# Altium PCB STguitar.PcbDoc (part 2 of 3)
Units mm, origin at the board's own origin, x right, y up, seen from the top; angles counter-clockwise.
Board outline 150 x 90 mm, 4 copper layers (Top Layer, Signal 1, Signal 2, Bottom Layer), stack 0.746 mm thick; 215 components, 199 nets, 877 pads, 342 vias.
Unrouted connection lines stored in the file: 196.
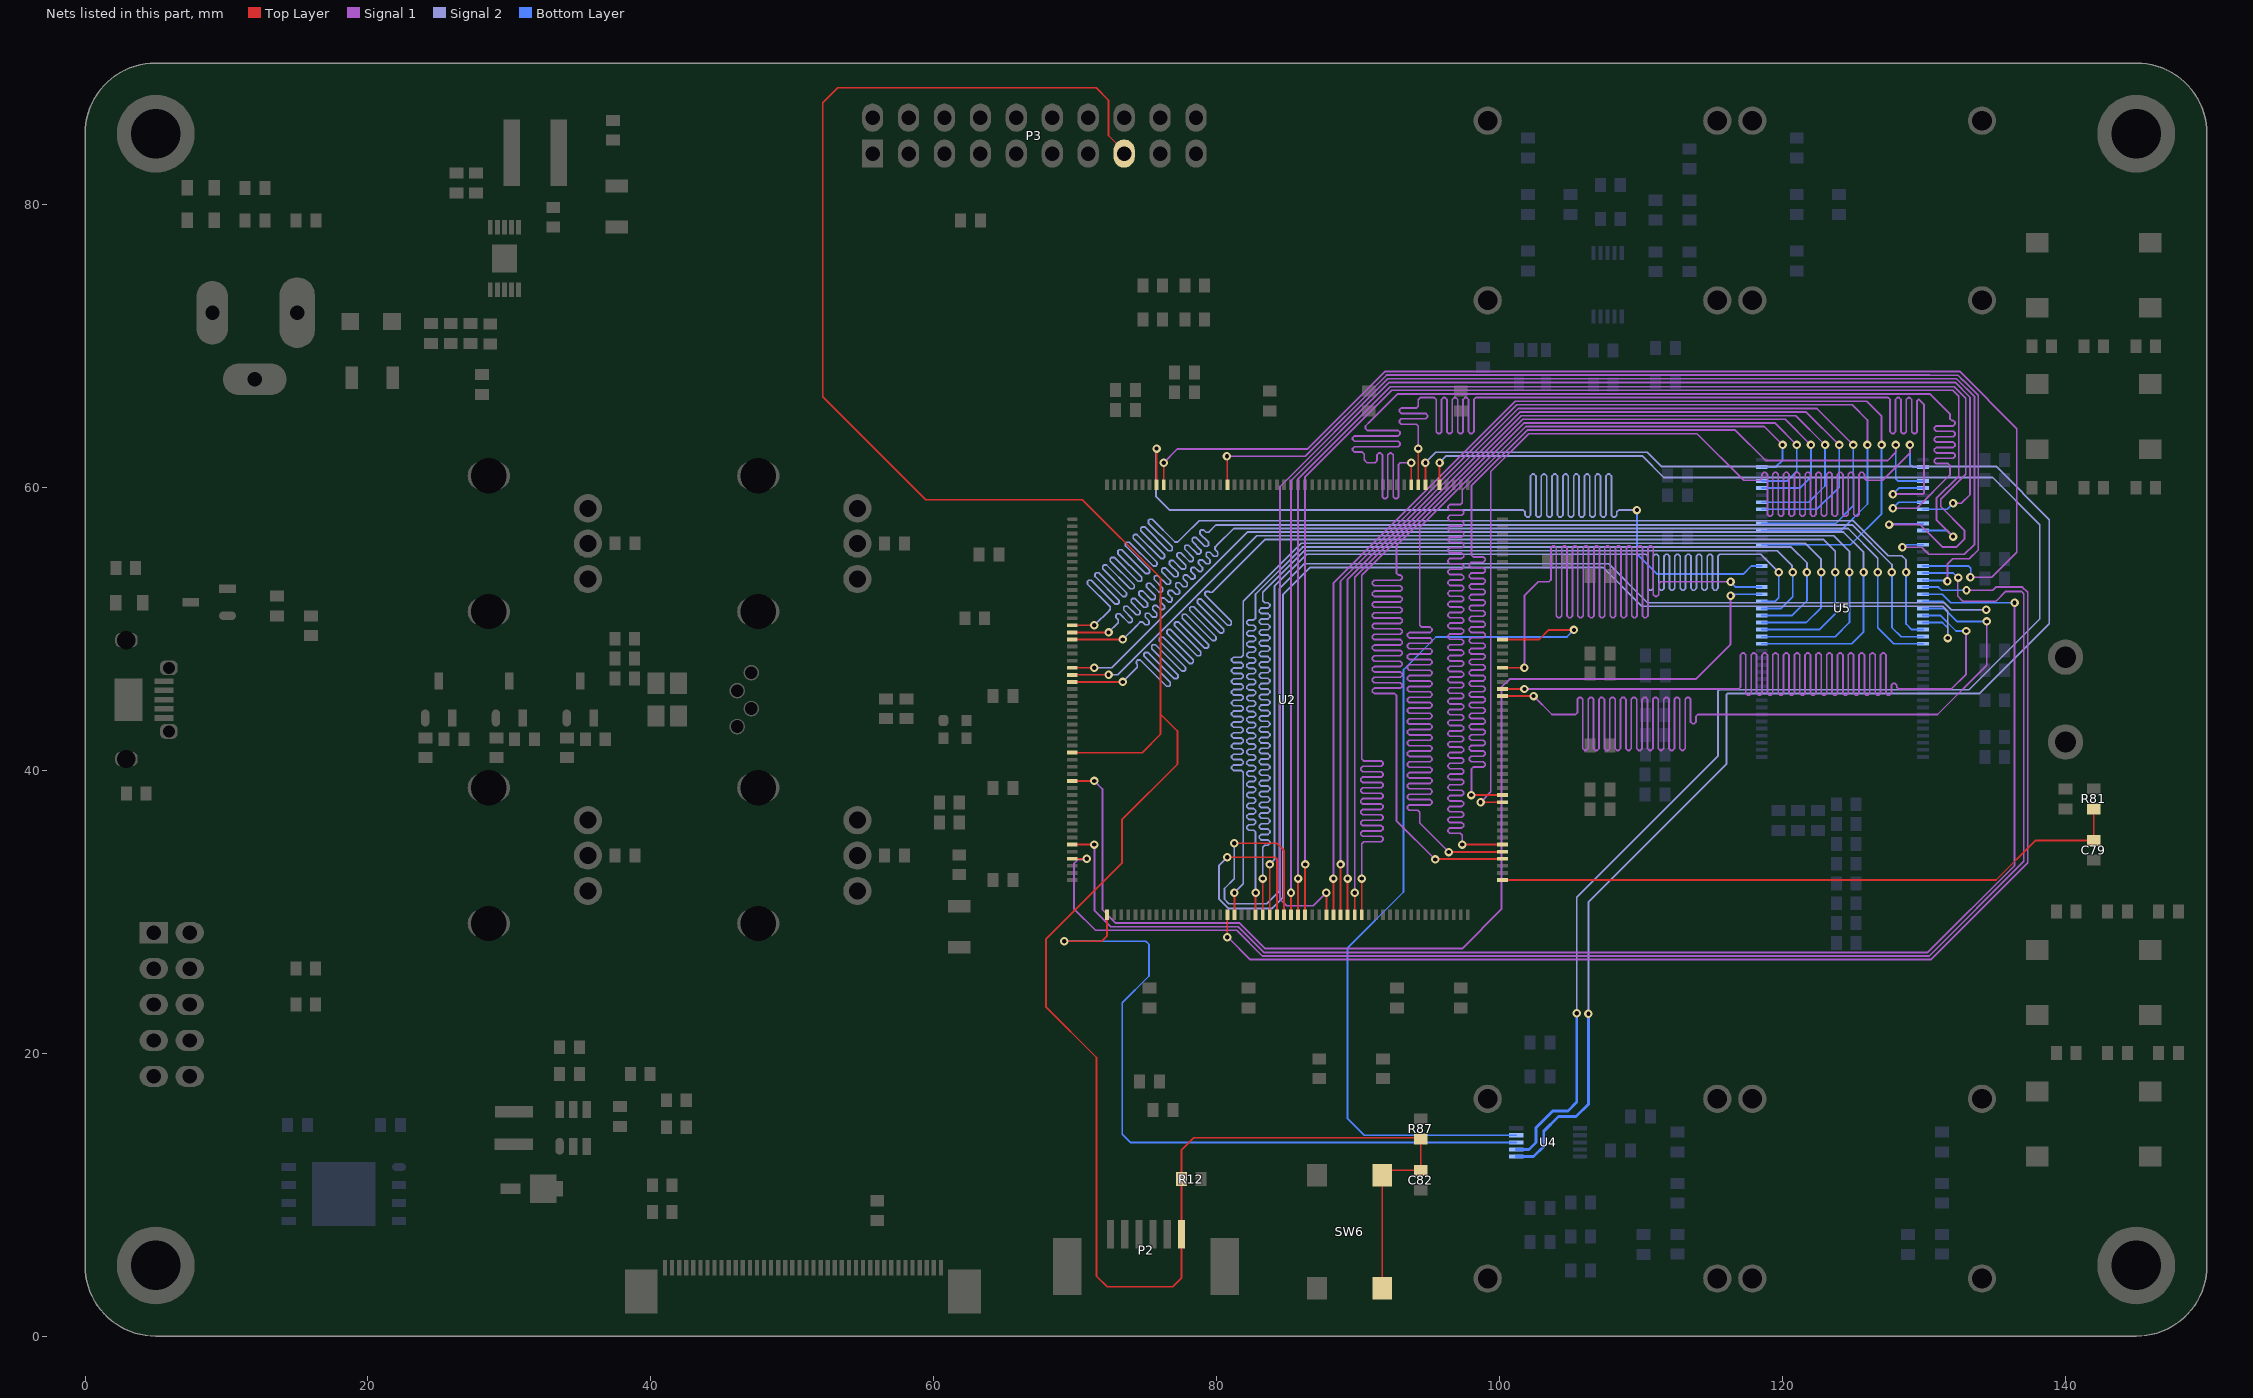
[diagram p4: the nets of this part, all layers, seen from the top]

## Via types
v1: diameter 0.6, hole 0.3, Top Layer to Bottom Layer, 342 vias

## Nets (pads, with @x,y where several pads share a name; then routed paths per layer and width w, separated by ;. In a path a pad name is that pad's centre, name@x,y a point inside that pad or via, vN(x,y) a via of type N, cw(c..) or ccw(c..) an arc to the next point about the centre after c; other vN are vias at no path point) (continued)
DAC.LRCK: U2.53 U4.3 | length 53.1
  Top Layer w0.127: v1(69.225,27.925) 71.875,27.925 72.25,28.3 U2.53@72.25,29.8
  Bottom Layer w0.127: v1(69.225,27.925) 74.989,27.925 75.212,27.702 75.212,25.462 73.325,23.575 73.325,14.275 73.9,13.7 U4.3@101.175,13.7
DAC.MCLK: U2.139 U4.4 | length 64.3
  Top Layer w0.127: U2.139@100.2,49.25 102.8,49.25 103.475,49.925 v1(105.25,49.925)
  Bottom Layer w0.127: U4.4@101.175,14.2 90.425,14.2 89.25,15.375 89.25,27.45 93.2,31.4 93.2,47.125 95.5,49.425 104.75,49.425 v1(105.25,49.925)
DAC.SCLK: U2.161 U4.2 | length 117.2
  Top Layer w0.127: U2.161@95.75,60.2 v1(95.75,61.75)
  Signal 2 w0.127: v1(95.75,61.75) 96.225,62.225 110.075,62.225 111.6,60.7 134.85,60.7 138.175,57.375 138.175,50.7 133.175,45.7 115.525,45.7 115.425,45.6 115.425,41 105.45,31.025 v1(105.45,22.825)
  Bottom Layer w0.2: U4.2@101.175,13.2 102.075,13.2 102.562,13.688 102.562,14.738 103.75,15.925 104.825,15.925 105.45,16.55 v1(105.45,22.825)
DAC.SDIN: U2.163 U4.1 | length 120.4
  Top Layer w0.127: U2.163@94.75,60.2 v1(94.75,61.75)
  Signal 2 w0.127: v1(94.75,61.75) 95.479,62.479 110.421,62.479 111.416,61.484 135.09,61.484 138.85,57.725 138.85,50.375 133.9,45.425 116.099,45.425 116.025,45.351 116.025,40.425 106.275,30.675 v1(106.275,22.8)
  Bottom Layer w0.2: U4.1@101.175,12.7 102.4,12.7 103.113,13.413 103.113,14.487 104.15,15.525 105.4,15.525 106.275,16.4 v1(106.275,22.8)
DCMI.NRST: C82.2 P2.6 P3.15 R12.1 R87.1 SW6.3 SW6.4 U2.34 | length 184.6
  Top Layer w0.127: U2.34@69.8,41.25 73.3,41.25 74.725,41.25 76.025,42.55 76.025,43.975 ; P3.15@73.455,83.6 73.455,83.77 72.35,84.875 72.35,87.375 71.475,88.25 53.2,88.25 52.15,87.2 52.15,66.4 59.425,59.125 70.5,59.125 76.025,53.6 76.025,43.975 ; SW6.3@91.696,3.385 SW6.4@91.696,11.385 92.036,11.725 C82.2@94.425,11.725 R87.1@94.425,13.95 94.35,14.025 78.375,14.025 77.5,13.15 R12.1@77.5,11.1 P2.6@77.5,7.2 77.5,4.1 76.9,3.5 72.25,3.5 71.5,4.25 71.5,19.7 67.925,23.275 67.925,28.05 73.3,33.425 73.3,36.5 77.225,40.425 77.225,42.775 76.025,43.975
FMC_A0: U2.16 U5.25 | length 113.7
  Top Layer w0.127: U2.16@69.8,50.25 v1(71.35,50.25)
  Signal 2 w0.127: v1(71.35,50.25) 72.425,51.325 72.47,51.37 72.47,51.558 70.862,53.166 70.862,53.355 70.943,53.435 71.132,53.435 72.816,51.752 73.004,51.752 73.085,51.832 73.085,52.021 71.401,53.705 71.401,53.893 71.482,53.974 71.671,53.974 73.354,52.29 73.543,52.29 73.624,52.371 73.624,52.56 71.94,54.244 71.94,54.432 72.021,54.513 72.209,54.513 73.893,52.829 74.082,52.829 74.163,52.91 74.163,53.099 72.479,54.782 72.479,54.971 72.56,55.052 72.748,55.052 74.432,53.368 74.621,53.368 74.702,53.449 74.702,53.637 73.018,55.321 73.018,55.51 73.099,55.591 73.287,55.591 74.971,53.907 75.16,53.907 75.24,53.988 75.24,54.176 73.557,55.86 73.557,56.049 73.637,56.129 73.826,56.129 75.51,54.446 75.698,54.446 75.779,54.526 75.779,54.715 74.095,56.399 74.095,56.587 74.176,56.668 74.365,56.668 76.049,54.984 76.237,54.984 76.318,55.065 76.318,55.254 74.634,56.938 74.634,57.126 74.715,57.207 74.904,57.207 76.587,55.523 76.776,55.523 76.857,55.604 76.857,55.793 75.173,57.476 75.173,57.665 75.254,57.746 75.442,57.746 77.05,56.138 77.238,56.138 77.688,56.588 78.75,57.65 124.984,57.65 127.459,55.175 128.425,55.175 128.725,54.875 v1(128.725,54)
  Bottom Layer w0.127: v1(128.725,54) 128.725,50.35 129.125,49.95 U5.25@129.925,49.95
FMC_A1: U2.17 U5.26 | length 91.2
  Top Layer w0.127: U2.17@69.8,49.75 v1(72.35,49.75)
  Signal 2 w0.127: v1(72.35,49.75) 73,50.4 73.045,50.445 73.045,50.633 72.884,50.794 72.884,50.983 72.965,51.064 73.154,51.064 73.764,50.453 73.952,50.453 74.033,50.534 74.033,50.723 73.423,51.333 73.423,51.522 73.504,51.602 73.693,51.602 74.303,50.992 74.491,50.992 74.572,51.073 74.572,51.262 73.962,51.872 73.962,52.06 74.043,52.141 74.231,52.141 74.841,51.531 75.03,51.531 75.111,51.612 75.111,51.8 74.501,52.411 74.501,52.599 74.582,52.68 74.77,52.68 75.38,52.07 75.569,52.07 75.65,52.151 75.65,52.339 75.04,52.949 75.04,53.138 75.12,53.219 75.309,53.219 75.919,52.609 76.108,52.609 76.188,52.689 76.188,52.878 75.578,53.488 75.578,53.677 75.659,53.758 75.848,53.758 76.458,53.147 76.646,53.147 76.727,53.228 76.727,53.417 76.117,54.027 76.117,54.216 76.198,54.296 76.387,54.296 76.997,53.686 77.185,53.686 77.266,53.767 77.266,53.956 76.656,54.566 76.656,54.754 76.737,54.835 76.925,54.835 77.536,54.225 77.724,54.225 77.805,54.306 77.805,54.495 77.195,55.105 77.195,55.293 77.276,55.374 77.464,55.374 78.074,54.764 78.263,54.764 78.344,54.845 78.344,55.033 77.734,55.643 77.734,55.832 77.814,55.913 78.003,55.913 78.613,55.303 78.802,55.303 78.883,55.384 78.883,55.572 78.272,56.182 78.272,56.371 78.353,56.452 78.542,56.452 79.152,55.842 79.341,55.842 79.421,55.922 79.421,56.111 78.811,56.721 78.811,56.91 78.892,56.99 79.081,56.99 79.241,56.83 79.43,56.83 79.625,57.025 79.95,57.35 124.925,57.35 127.725,54.55 v1(127.725,54)
  Bottom Layer w0.127: v1(127.725,54) 127.725,50.1 128.375,49.45 U5.26@129.925,49.45
FMC_A2: U2.18 U5.27 | length 79.4
  Top Layer w0.127: U2.18@69.8,49.25 v1(73.35,49.25)
  Signal 2 w0.127: v1(73.35,49.25) 74.263,50.162 74.577,50.477 74.765,50.477 74.952,50.29 75.141,50.29 75.221,50.371 75.221,50.56 74.944,50.837 74.944,51.025 75.025,51.106 75.214,51.106 75.491,50.829 75.679,50.829 75.76,50.91 75.76,51.098 75.483,51.376 75.483,51.564 75.564,51.645 75.752,51.645 76.03,51.368 76.218,51.368 76.299,51.449 76.299,51.637 76.022,51.914 76.022,52.103 76.103,52.184 76.291,52.184 76.569,51.907 76.757,51.907 76.838,51.987 76.838,52.176 76.561,52.453 76.561,52.642 76.642,52.723 76.83,52.723 77.107,52.445 77.296,52.445 77.377,52.526 77.377,52.715 77.1,52.992 77.1,53.181 77.18,53.261 77.369,53.261 77.646,52.984 77.835,52.984 77.916,53.065 77.916,53.254 77.638,53.531 77.638,53.719 77.719,53.8 77.908,53.8 78.185,53.523 78.374,53.523 78.454,53.604 78.454,53.792 78.177,54.07 78.177,54.258 78.258,54.339 78.447,54.339 78.724,54.062 78.912,54.062 78.993,54.143 78.993,54.331 78.716,54.608 78.716,54.797 78.797,54.878 78.985,54.878 79.263,54.601 79.451,54.601 79.532,54.681 79.532,54.87 79.255,55.147 79.255,55.336 79.336,55.417 79.524,55.417 79.801,55.139 79.99,55.139 80.071,55.22 80.071,55.409 79.884,55.596 79.884,55.784 80.05,55.95 81.196,57.096 124.629,57.096 126.725,55 v1(126.725,54)
  Bottom Layer w0.127: v1(126.725,54) 126.725,50.075 127.85,48.95 U5.27@129.925,48.95
FMC_A3: U2.22 U5.60 | length 73.7
  Top Layer w0.127: U2.22@69.8,47.25 v1(71.35,47.25)
  Signal 2 w0.127: v1(71.35,47.25) 72.575,47.25 82.167,56.842 124.305,56.842 125.725,55.422 v1(125.725,54)
  Bottom Layer w0.127: U5.60@118.525,48.95 124.875,48.95 125.725,49.8 v1(125.725,54)
FMC_A4: U2.23 U5.61 | length 71.1
  Top Layer w0.127: U2.23@69.8,46.75 v1(72.35,46.75)
  Signal 2 w0.127: v1(72.35,46.75) 73,46.75 82.838,56.588 123.612,56.588 124.725,55.475 v1(124.725,54)
  Bottom Layer w0.127: U5.61@118.525,49.45 123.725,49.45 124.725,50.45 v1(124.725,54)
FMC_A5: U2.24 U5.62 | length 118.1
  Top Layer w0.127: U2.24@69.8,46.25 v1(73.35,46.25)
  Signal 2 w0.127: v1(73.35,46.25) 74.338,47.237 74.382,47.282 74.382,47.471 74.326,47.528 74.326,47.716 74.406,47.797 74.595,47.797 76.448,45.944 76.636,45.944 76.717,46.025 76.717,46.214 74.864,48.067 74.864,48.255 74.945,48.336 75.134,48.336 76.987,46.483 77.175,46.483 77.256,46.564 77.256,46.753 75.403,48.605 75.403,48.794 75.484,48.875 75.673,48.875 77.525,47.022 77.714,47.022 77.795,47.103 77.795,47.291 75.942,49.144 75.942,49.333 76.023,49.414 76.211,49.414 78.064,47.561 78.253,47.561 78.334,47.642 78.334,47.83 76.481,49.683 76.481,49.872 76.562,49.952 76.75,49.952 78.603,48.1 78.792,48.1 78.873,48.18 78.873,48.369 77.02,50.222 77.02,50.41 77.1,50.491 77.289,50.491 79.142,48.638 79.331,48.638 79.411,48.719 79.411,48.908 77.558,50.761 77.558,50.949 77.639,51.03 77.828,51.03 79.681,49.177 79.869,49.177 79.95,49.258 79.95,49.447 78.097,51.3 78.097,51.488 78.178,51.569 78.367,51.569 80.22,49.716 80.408,49.716 80.489,49.797 80.489,49.985 78.636,51.838 78.636,52.027 78.717,52.108 78.906,52.108 80.758,50.255 80.947,50.255 81.028,50.336 81.028,50.524 79.175,52.377 79.175,52.566 79.256,52.647 79.444,52.647 79.501,52.59 79.69,52.59 79.975,52.875 83.425,56.325 122.875,56.325 123.725,55.475 v1(123.725,54)
  Bottom Layer w0.127: U5.62@118.525,49.95 122.6,49.95 123.725,51.075 v1(123.725,54)
FMC_A6: U2.71 U5.63 | length 88.1
  Top Layer w0.127: U2.71@81.25,29.8 v1(81.25,31.35)
  Signal 2 w0.127: v1(81.25,31.35) 81.875,31.975 81.875,39.8 81.875,39.864 81.742,39.997 81.187,39.997 81.053,40.13 81.053,40.245 81.187,40.378 81.742,40.378 81.875,40.511 81.875,40.626 81.742,40.759 81.187,40.759 81.053,40.892 81.053,41.007 81.187,41.14 81.742,41.14 81.875,41.273 81.875,41.388 81.742,41.521 81.187,41.521 81.053,41.654 81.053,41.769 81.187,41.902 81.742,41.902 81.875,42.035 81.875,42.15 81.742,42.283 81.187,42.283 81.053,42.416 81.053,42.531 81.187,42.664 81.742,42.664 81.875,42.797 81.875,42.912 81.742,43.045 81.187,43.045 81.053,43.178 81.053,43.293 81.187,43.426 81.742,43.426 81.875,43.559 81.875,43.674 81.742,43.807 81.187,43.807 81.053,43.94 81.053,44.055 81.187,44.188 81.742,44.188 81.875,44.321 81.875,44.436 81.742,44.569 81.187,44.569 81.053,44.702 81.053,44.817 81.187,44.95 81.742,44.95 81.875,45.083 81.875,45.198 81.742,45.331 81.187,45.331 81.053,45.464 81.053,45.579 81.187,45.712 81.742,45.712 81.875,45.845 81.875,45.96 81.742,46.093 81.187,46.093 81.053,46.226 81.053,46.341 81.187,46.474 81.742,46.474 81.875,46.607 81.875,46.722 81.742,46.855 81.187,46.855 81.053,46.988 81.053,47.103 81.187,47.236 81.742,47.236 81.875,47.369 81.875,47.484 81.742,47.617 81.187,47.617 81.053,47.75 81.053,47.865 81.187,47.998 81.742,47.998 81.875,48.131 81.875,48.275 81.875,51.95 85.975,56.05 121.6,56.05 122.725,54.925 v1(122.725,54)
  Bottom Layer w0.127: U5.63@118.525,50.45 121.675,50.45 122.725,51.5 v1(122.725,54)
FMC_A7: U2.74 U5.64 | length 88.6
  Top Layer w0.127: U2.74@82.75,29.8 v1(82.75,31.35)
  Signal 2 w0.127: v1(82.75,31.35) 82.75,35.575 82.75,35.639 82.617,35.772 82.262,35.772 82.129,35.905 82.129,36.02 82.262,36.153 82.624,36.153 82.757,36.286 82.757,36.401 82.624,36.534 82.262,36.534 82.129,36.667 82.129,36.782 82.262,36.915 82.624,36.915 82.757,37.048 82.757,37.163 82.624,37.296 82.262,37.296 82.129,37.429 82.129,37.544 82.262,37.677 82.624,37.677 82.757,37.81 82.757,37.925 82.624,38.058 82.262,38.058 82.129,38.191 82.129,38.306 82.262,38.439 82.624,38.439 82.757,38.572 82.757,38.687 82.624,38.82 82.262,38.82 82.129,38.953 82.129,39.068 82.262,39.201 82.624,39.201 82.757,39.334 82.757,39.449 82.624,39.582 82.262,39.582 82.129,39.715 82.129,39.83 82.262,39.963 82.624,39.963 82.757,40.096 82.757,40.211 82.624,40.344 82.262,40.344 82.129,40.477 82.129,40.592 82.262,40.725 82.624,40.725 82.757,40.858 82.757,40.973 82.624,41.106 82.262,41.106 82.129,41.239 82.129,41.354 82.262,41.487 82.624,41.487 82.757,41.62 82.757,41.735 82.624,41.868 82.262,41.868 82.129,42.001 82.129,42.116 82.262,42.249 82.624,42.249 82.757,42.382 82.757,42.497 82.624,42.63 82.262,42.63 82.129,42.763 82.129,42.878 82.262,43.011 82.624,43.011 82.757,43.144 82.757,43.259 82.624,43.392 82.262,43.392 82.129,43.525 82.129,43.64 82.262,43.773 82.624,43.773 82.757,43.906 82.757,44.021 82.624,44.154 82.262,44.154 82.129,44.287 82.129,44.402 82.262,44.535 82.624,44.535 82.757,44.668 82.757,44.783 82.624,44.916 82.262,44.916 82.129,45.049 82.129,45.164 82.262,45.297 82.624,45.297 82.757,45.43 82.757,45.545 82.624,45.678 82.262,45.678 82.129,45.811 82.129,45.926 82.262,46.059 82.624,46.059 82.757,46.192 82.757,46.307 82.624,46.44 82.262,46.44 82.129,46.573 82.129,46.688 82.262,46.821 82.624,46.821 82.757,46.954 82.757,47.069 82.624,47.202 82.262,47.202 82.129,47.335 82.129,47.45 82.262,47.583 82.624,47.583 82.757,47.716 82.757,47.831 82.624,47.964 82.262,47.964 82.129,48.097 82.129,48.212 82.262,48.345 82.624,48.345 82.757,48.478 82.757,48.593 82.624,48.726 82.262,48.726 82.129,48.859 82.129,48.974 82.262,49.107 82.624,49.107 82.757,49.24 82.757,49.355 82.624,49.488 82.262,49.488 82.129,49.621 82.129,49.736 82.262,49.869 82.624,49.869 82.757,50.002 82.757,50.117 82.624,50.25 82.262,50.25 82.129,50.383 82.129,50.498 82.262,50.631 82.617,50.631 82.75,50.764 82.75,51.375 82.75,52.466 86.067,55.783 120.603,55.783 121.725,54.661 v1(121.725,54)
  Bottom Layer w0.127: U5.64@118.525,50.95 120.675,50.95 121.725,52 v1(121.725,54)
FMC_A8: U2.75 U5.65 | length 93.7
  Top Layer w0.127: U2.75@83.25,29.8 v1(83.25,32.35)
  Signal 2 w0.127: v1(83.25,32.35) 83.25,34.125 83.25,34.57 83.383,34.703 83.627,34.703 83.76,34.836 83.76,34.951 83.627,35.084 83.137,35.084 83.004,35.217 83.004,35.332 83.137,35.465 83.627,35.465 83.76,35.598 83.76,35.713 83.627,35.846 83.137,35.846 83.004,35.979 83.004,36.094 83.137,36.227 83.627,36.227 83.76,36.36 83.76,36.475 83.627,36.608 83.137,36.608 83.004,36.741 83.004,36.856 83.137,36.989 83.627,36.989 83.76,37.122 83.76,37.237 83.627,37.37 83.137,37.37 83.004,37.503 83.004,37.618 83.137,37.751 83.627,37.751 83.76,37.884 83.76,37.999 83.627,38.132 83.137,38.132 83.004,38.265 83.004,38.38 83.137,38.513 83.627,38.513 83.76,38.646 83.76,38.761 83.627,38.894 83.137,38.894 83.004,39.027 83.004,39.142 83.137,39.275 83.627,39.275 83.76,39.408 83.76,39.523 83.627,39.656 83.137,39.656 83.004,39.789 83.004,39.904 83.137,40.037 83.627,40.037 83.76,40.17 83.76,40.285 83.627,40.418 83.137,40.418 83.004,40.551 83.004,40.666 83.137,40.799 83.627,40.799 83.76,40.932 83.76,41.047 83.627,41.18 83.137,41.18 83.004,41.313 83.004,41.428 83.137,41.561 83.627,41.561 83.76,41.694 83.76,41.809 83.627,41.942 83.137,41.942 83.004,42.075 83.004,42.19 83.137,42.323 83.627,42.323 83.76,42.456 83.76,42.571 83.627,42.704 83.137,42.704 83.004,42.837 83.004,42.952 83.137,43.085 83.627,43.085 83.76,43.218 83.76,43.333 83.627,43.466 83.137,43.466 83.004,43.599 83.004,43.714 83.137,43.847 83.627,43.847 83.76,43.98 83.76,44.095 83.627,44.228 83.137,44.228 83.004,44.361 83.004,44.476 83.137,44.609 83.627,44.609 83.76,44.742 83.76,44.857 83.627,44.99 83.137,44.99 83.004,45.123 83.004,45.238 83.137,45.371 83.627,45.371 83.76,45.504 83.76,45.619 83.627,45.752 83.137,45.752 83.004,45.885 83.004,46 83.137,46.133 83.627,46.133 83.76,46.266 83.76,46.381 83.627,46.514 83.137,46.514 83.004,46.647 83.004,46.762 83.137,46.895 83.627,46.895 83.76,47.028 83.76,47.143 83.627,47.276 83.137,47.276 83.004,47.409 83.004,47.524 83.137,47.657 83.627,47.657 83.76,47.79 83.76,47.905 83.627,48.038 83.137,48.038 83.004,48.171 83.004,48.286 83.137,48.419 83.627,48.419 83.76,48.552 83.76,48.667 83.627,48.8 83.137,48.8 83.004,48.933 83.004,49.048 83.137,49.181 83.627,49.181 83.76,49.314 83.76,49.429 83.627,49.562 83.137,49.562 83.004,49.695 83.004,49.81 83.137,49.943 83.627,49.943 83.76,50.076 83.76,50.191 83.627,50.324 83.137,50.324 83.004,50.457 83.004,50.572 83.137,50.705 83.627,50.705 83.76,50.838 83.76,50.953 83.627,51.086 83.137,51.086 83.004,51.219 83.004,51.334 83.137,51.467 83.627,51.467 83.76,51.6 83.76,51.715 83.627,51.848 83.383,51.848 83.25,51.981 83.25,52.306 83.25,52.6 86.179,55.529 119.621,55.529 120.659,54.491 120.659,54.066 v1(120.725,54)
  Bottom Layer w0.127: U5.65@118.525,51.45 119.9,51.45 120.725,52.275 v1(120.725,54)
FMC_A9: U2.76 U5.66 | length 96.9
  Top Layer w0.127: v1(83.741,33.35) 83.742,33.348 83.742,29.808 U2.76@83.75,29.8
  Signal 2 w0.127: v1(83.741,33.35) 84.075,33.684 84.075,53 86.35,55.275 109.9,55.275 110.345,55.275 110.478,55.142 110.478,52.868 110.611,52.735 110.726,52.735 110.859,52.868 110.859,55.142 110.992,55.275 111.107,55.275 111.24,55.142 111.24,52.868 111.373,52.735 111.488,52.735 111.621,52.868 111.621,55.142 111.754,55.275 111.869,55.275 112.002,55.142 112.002,52.868 112.135,52.735 112.25,52.735 112.383,52.868 112.383,55.142 112.516,55.275 112.631,55.275 112.764,55.142 112.764,52.868 112.897,52.735 113.012,52.735 113.145,52.868 113.145,55.142 113.278,55.275 113.393,55.275 113.526,55.142 113.526,52.868 113.659,52.735 113.774,52.735 113.907,52.868 113.907,55.142 114.04,55.275 114.155,55.275 114.288,55.142 114.288,52.868 114.421,52.735 114.536,52.735 114.669,52.868 114.669,55.142 114.802,55.275 114.917,55.275 115.05,55.142 115.05,52.868 115.183,52.735 115.298,52.735 115.431,52.868 115.431,55.142 115.564,55.275 115.775,55.275 118.45,55.275 v1(119.725,54)
  Bottom Layer w0.127: U5.66@118.525,51.95 119.475,51.95 119.725,52.2 v1(119.725,54)
FMC_A10: U2.77 U5.24 | length 90.8
  Top Layer w0.127: v1(80.75,33.85) 84.151,33.85 84.25,33.751 U2.77@84.25,29.8
  Signal 2 w0.127: v1(80.75,33.85) 80.15,33.25 80.15,30.925 80.85,30.225 83.9,30.225 84.679,31.004 84.679,52.404 86.621,54.346 107.304,54.346 110.054,51.596 131.32,51.596 131.675,51.241 v1(131.675,49.35)
  Bottom Layer w0.127: U5.24@129.925,50.45 131.3,50.45 131.675,50.075 v1(131.675,49.35)
FMC_A11: U2.78 U5.21 | length 95
  Top Layer w0.127: v1(81.244,34.85) 84.25,34.85 84.75,34.35 U2.78@84.75,29.8
  Signal 2 w0.127: v1(81.244,34.85) 81.244,32.344 80.55,31.65 80.55,30.884 80.859,30.575 83.55,30.575 84.425,31.45 84.425,52.825 86.2,54.6 107.7,54.6 110.45,51.85 131.425,51.85 131.925,51.35 v1(134.4,51.35)
  Bottom Layer w0.127: U5.21@129.925,51.95 131.325,51.95 131.925,51.35 v1(134.4,51.35)
FMC_BA0: U2.131 U5.22 | length 119.3
  Top Layer w0.127: U2.131@100.2,45.25 v1(102.4,45.25)
  Signal 1 w0.127: v1(102.4,45.25) 103.7,43.95 105.3,43.95 105.364,43.95 105.497,44.083 105.497,45.025 105.63,45.158 105.745,45.158 105.878,45.025 105.878,41.543 106.011,41.41 106.126,41.41 106.259,41.543 106.259,45.025 106.392,45.158 106.507,45.158 106.64,45.025 106.64,41.543 106.773,41.41 106.888,41.41 107.021,41.543 107.021,45.025 107.154,45.158 107.269,45.158 107.402,45.025 107.402,41.543 107.535,41.41 107.65,41.41 107.783,41.543 107.783,45.025 107.916,45.158 108.031,45.158 108.164,45.025 108.164,41.543 108.297,41.41 108.412,41.41 108.545,41.543 108.545,45.025 108.678,45.158 108.793,45.158 108.926,45.025 108.926,41.543 109.059,41.41 109.174,41.41 109.307,41.543 109.307,45.025 109.44,45.158 109.555,45.158 109.688,45.025 109.688,41.543 109.821,41.41 109.936,41.41 110.069,41.543 110.069,45.025 110.202,45.158 110.317,45.158 110.45,45.025 110.45,41.543 110.583,41.41 110.698,41.41 110.831,41.543 110.831,45.025 110.964,45.158 111.079,45.158 111.212,45.025 111.212,41.543 111.345,41.41 111.46,41.41 111.593,41.543 111.593,45.025 111.726,45.158 111.841,45.158 111.974,45.025 111.974,41.543 112.107,41.41 112.222,41.41 112.355,41.543 112.355,45.025 112.488,45.158 112.603,45.158 112.736,45.025 112.736,41.543 112.869,41.41 112.984,41.41 113.117,41.543 113.117,45.025 113.25,45.158 113.365,45.158 113.498,45.025 113.498,43.427 113.631,43.294 113.746,43.294 113.879,43.427 113.879,43.817 114.012,43.95 114.833,43.95 130.95,43.95 134.425,47.425 v1(134.425,50.525)
  Bottom Layer w0.127: U5.22@129.925,51.45 131.4,51.45 132.325,50.525 v1(134.425,50.525)
FMC_BA1: U2.132 U5.23 | length 119.3
  Top Layer w0.127: U2.132@100.2,45.75 v1(101.75,45.75)
  Signal 1 w0.127: v1(101.75,45.75) 116.825,45.75 116.889,45.75 117.022,45.883 117.022,48.157 117.155,48.29 117.27,48.29 117.403,48.157 117.403,45.445 117.536,45.311 117.651,45.311 117.784,45.445 117.784,48.157 117.917,48.29 118.032,48.29 118.165,48.157 118.165,45.445 118.298,45.311 118.413,45.311 118.546,45.445 118.546,48.157 118.679,48.29 118.794,48.29 118.927,48.157 118.927,45.445 119.06,45.311 119.175,45.311 119.308,45.445 119.308,48.157 119.441,48.29 119.556,48.29 119.689,48.157 119.689,45.445 119.822,45.311 119.937,45.311 120.07,45.445 120.07,48.157 120.203,48.29 120.318,48.29 120.451,48.157 120.451,45.445 120.584,45.311 120.699,45.311 120.832,45.445 120.832,48.157 120.965,48.29 121.08,48.29 121.213,48.157 121.213,45.445 121.346,45.311 121.461,45.311 121.594,45.445 121.594,48.157 121.727,48.29 121.842,48.29 121.975,48.157 121.975,45.445 122.108,45.311 122.223,45.311 122.356,45.445 122.356,48.157 122.489,48.29 122.604,48.29 122.737,48.157 122.737,45.445 122.87,45.311 122.985,45.311 123.118,45.445 123.118,48.157 123.251,48.29 123.366,48.29 123.499,48.157 123.499,45.445 123.632,45.311 123.747,45.311 123.88,45.445 123.88,48.157 124.013,48.29 124.128,48.29 124.261,48.157 124.261,45.445 124.394,45.311 124.509,45.311 124.642,45.445 124.642,48.157 124.775,48.29 124.89,48.29 125.023,48.157 125.023,45.445 125.156,45.311 125.271,45.311 125.404,45.445 125.404,48.157 125.537,48.29 125.652,48.29 125.785,48.157 125.785,45.445 125.918,45.311 126.033,45.311 126.166,45.445 126.166,48.157 126.299,48.29 126.414,48.29 126.547,48.157 126.547,45.445 126.68,45.311 126.795,45.311 126.928,45.445 126.928,48.157 127.061,48.29 127.176,48.29 127.309,48.157 127.309,45.445 127.442,45.311 127.557,45.311 127.69,45.445 127.69,46.02 127.823,46.153 127.938,46.153 128.071,46.02 128.071,45.883 128.204,45.75 128.418,45.75 130.554,45.75 131.925,45.75 132.975,46.8 v1(132.975,49.85)
  Bottom Layer w0.127: U5.23@129.925,50.95 131.159,50.95 132.259,49.85 v1(132.975,49.85)
FMC_D0: U2.116 U5.2 | length 115
  Top Layer w0.127: v1(98.65,37.75) U2.116@100.2,37.75
  Signal 1 w0.127: v1(98.65,37.75) 99.375,38.475 99.375,61.125 102.05,63.8 113.95,63.8 117.25,60.5 118.35,60.5 118.414,60.5 118.547,60.633 118.547,60.933 118.68,61.067 118.795,61.067 118.928,60.933 118.928,58.093 119.061,57.96 119.176,57.96 119.309,58.093 119.309,60.933 119.442,61.067 119.557,61.067 119.69,60.933 119.69,58.093 119.823,57.96 119.938,57.96 120.071,58.093 120.071,60.933 120.204,61.067 120.319,61.067 120.452,60.933 120.452,58.093 120.585,57.96 120.7,57.96 120.833,58.093 120.833,60.933 120.966,61.067 121.081,61.067 121.214,60.933 121.214,58.093 121.347,57.96 121.462,57.96 121.595,58.093 121.595,60.933 121.728,61.067 121.843,61.067 121.976,60.933 121.976,58.093 122.109,57.96 122.224,57.96 122.357,58.093 122.357,60.933 122.49,61.067 122.605,61.067 122.738,60.933 122.738,58.093 122.871,57.96 122.986,57.96 123.119,58.093 123.119,60.933 123.252,61.067 123.367,61.067 123.5,60.933 123.5,58.093 123.633,57.96 123.748,57.96 123.881,58.093 123.881,60.933 124.014,61.067 124.129,61.067 124.262,60.933 124.262,58.093 124.395,57.96 124.51,57.96 124.643,58.093 124.643,60.933 124.776,61.067 124.891,61.067 125.024,60.933 125.024,58.093 125.157,57.96 125.272,57.96 125.405,58.093 125.405,60.933 125.538,61.067 125.653,61.067 125.786,60.933 125.786,60.633 125.919,60.5 126.325,60.5 127.075,60.5 129,62.425 v1(129,63)
  Bottom Layer w0.127: v1(129,63) 129,61.65 129.2,61.45 U5.2@129.925,61.45
FMC_D1: U2.117 U5.4 | length 100.6
  Top Layer w0.127: v1(98,38.25) U2.117@100.2,38.25
  Signal 1 w0.127: v1(98,38.25) 98,39.65 98,40.095 98.133,40.228 98.851,40.228 98.984,40.361 98.984,40.476 98.851,40.609 97.982,40.609 97.848,40.742 97.848,40.857 97.982,40.99 98.851,40.99 98.984,41.123 98.984,41.238 98.851,41.371 97.982,41.371 97.848,41.504 97.848,41.619 97.982,41.752 98.851,41.752 98.984,41.885 98.984,42 98.851,42.133 97.982,42.133 97.848,42.266 97.848,42.381 97.982,42.514 98.851,42.514 98.984,42.647 98.984,42.762 98.851,42.895 97.982,42.895 97.848,43.028 97.848,43.143 97.982,43.276 98.851,43.276 98.984,43.409 98.984,43.524 98.851,43.657 97.982,43.657 97.848,43.79 97.848,43.905 97.982,44.038 98.851,44.038 98.984,44.171 98.984,44.286 98.851,44.419 97.982,44.419 97.848,44.552 97.848,44.667 97.982,44.8 98.851,44.8 98.984,44.933 98.984,45.048 98.851,45.181 97.982,45.181 97.848,45.314 97.848,45.429 97.982,45.562 98.851,45.562 98.984,45.695 98.984,45.81 98.851,45.943 97.982,45.943 97.848,46.076 97.848,46.191 97.982,46.324 98.851,46.324 98.984,46.457 98.984,46.572 98.851,46.705 97.982,46.705 97.848,46.838 97.848,46.953 97.982,47.086 98.851,47.086 98.984,47.219 98.984,47.334 98.851,47.467 97.982,47.467 97.848,47.6 97.848,47.715 97.982,47.848 98.851,47.848 98.984,47.981 98.984,48.096 98.851,48.229 97.982,48.229 97.848,48.362 97.848,48.477 97.982,48.61 98.851,48.61 98.984,48.743 98.984,48.858 98.851,48.991 97.982,48.991 97.848,49.124 97.848,49.239 97.982,49.372 98.851,49.372 98.984,49.505 98.984,49.62 98.851,49.753 97.982,49.753 97.848,49.886 97.848,50.001 97.982,50.134 98.851,50.134 98.984,50.267 98.984,50.382 98.851,50.515 97.982,50.515 97.848,50.648 97.848,50.763 97.982,50.896 98.851,50.896 98.984,51.029 98.984,51.144 98.851,51.277 97.982,51.277 97.848,51.41 97.848,51.525 97.982,51.658 98.851,51.658 98.984,51.791 98.984,51.906 98.851,52.039 97.982,52.039 97.848,52.172 97.848,52.287 97.982,52.42 98.851,52.42 98.984,52.553 98.984,52.668 98.851,52.801 97.982,52.801 97.848,52.934 97.848,53.049 97.982,53.182 98.851,53.182 98.984,53.315 98.984,53.43 98.851,53.563 97.982,53.563 97.848,53.696 97.848,53.811 97.982,53.944 98.851,53.944 98.984,54.077 98.984,54.192 98.851,54.325 97.982,54.325 97.848,54.458 97.848,54.573 97.982,54.706 98.851,54.706 98.984,54.839 98.984,54.954 98.851,55.087 98.133,55.087 98,55.22 98,55.401 98,60.109 101.945,64.054 116.646,64.054 118.8,61.9 127.425,61.9 128,62.475 v1(128,63)
  Bottom Layer w0.127: v1(128,63) 128,60.625 128.175,60.45 U5.4@129.925,60.45
FMC_D2: U2.164 U5.5 | length 92.1
  Top Layer w0.127: U2.164@94.25,60.2 v1(94.25,62.75)
  Signal 1 w0.127: v1(94.25,62.75) 94.25,64.275 94.25,64.339 94.117,64.472 93.043,64.472 92.909,64.605 92.909,64.72 93.043,64.853 94.767,64.853 94.9,64.986 94.9,65.101 94.767,65.234 93.043,65.234 92.909,65.367 92.909,65.482 93.043,65.615 94.117,65.615 94.25,65.748 94.25,65.85 94.25,66.209 94.387,66.346 94.933,66.346 95.377,66.346 95.511,66.213 95.511,63.939 95.644,63.806 95.758,63.806 95.892,63.939 95.892,66.213 96.025,66.346 96.139,66.346 96.273,66.213 96.273,63.939 96.406,63.806 96.52,63.806 96.654,63.939 96.654,66.213 96.787,66.346 96.901,66.346 97.035,66.213 97.035,63.939 97.168,63.806 97.282,63.806 97.416,63.939 97.416,66.213 97.549,66.346 97.663,66.346 97.797,66.213 97.797,63.939 97.93,63.806 98.044,63.806 98.178,63.939 98.178,66.213 98.311,66.346 98.8,66.346 127.025,66.346 127.47,66.346 127.603,66.213 127.603,63.939 127.736,63.806 127.851,63.806 127.984,63.939 127.984,66.213 128.117,66.346 128.232,66.346 128.365,66.213 128.365,63.939 128.498,63.806 128.613,63.806 128.746,63.939 128.746,66.213 128.879,66.346 128.994,66.346 129.127,66.213 129.127,63.939 129.26,63.806 129.375,63.806 129.508,63.939 129.508,66.117 129.62,66.23 129.726,66.124 130,65.85 130,59.599 129.926,59.525 v1(127.8,59.525)
  Bottom Layer w0.127: v1(127.8,59.525) 128.225,59.95 U5.5@129.925,59.95
FMC_D3: U2.165 U5.7 | length 96.8
  Top Layer w0.127: U2.165@93.75,60.2 v1(93.75,61.75)
  Signal 1 w0.127: v1(93.75,61.75) 93.05,61.75 92.986,61.75 92.853,61.617 92.853,59.343 92.72,59.21 92.605,59.21 92.472,59.343 92.472,62.295 92.339,62.428 92.224,62.428 92.091,62.295 92.091,59.343 91.958,59.21 91.843,59.21 91.71,59.343 91.71,62.295 91.577,62.428 91.462,62.428 91.329,62.295 91.329,61.883 91.196,61.75 91.125,61.75 90.625,61.75 90.425,61.95 90.425,62.3 90.425,62.364 90.292,62.497 89.736,62.497 89.603,62.63 89.603,62.745 89.736,62.878 92.832,62.878 92.965,63.011 92.965,63.126 92.832,63.259 89.736,63.259 89.603,63.392 89.603,63.507 89.736,63.64 92.832,63.64 92.965,63.773 92.965,63.888 92.832,64.021 90.651,64.021 90.518,64.154 90.518,64.343 90.846,64.671 92.775,66.6 130.434,66.6 131.825,65.209 131.825,64.925 131.825,64.861 131.958,64.728 132.063,64.728 132.196,64.595 132.196,64.48 132.063,64.347 130.858,64.347 130.725,64.214 130.725,64.099 130.858,63.966 132.063,63.966 132.196,63.833 132.196,63.718 132.063,63.585 130.858,63.585 130.725,63.452 130.725,63.337 130.858,63.204 132.063,63.204 132.196,63.071 132.196,62.956 132.063,62.823 130.858,62.823 130.725,62.69 130.725,62.575 130.858,62.442 132.063,62.442 132.196,62.309 132.196,62.194 132.063,62.061 130.858,62.061 130.725,61.928 130.725,61.813 130.858,61.68 131.692,61.68 131.825,61.547 131.825,61.2 131.825,60.875 129.475,58.525 v1(127.8,58.525)
  Bottom Layer w0.127: v1(127.8,58.525) 128.225,58.95 U5.7@129.925,58.95
FMC_D4: U2.79 U5.8 | length 92.6
  Top Layer w0.127: U2.79@85.25,29.8 v1(85.25,31.35)
  Signal 1 w0.127: v1(85.25,31.35) 85.25,60.472 92.203,67.425 132.191,67.425 133.25,66.366 133.25,59.49 132.635,58.875 v1(132.05,58.875)
  Bottom Layer w0.127: U5.8@129.925,58.45 131.625,58.45 v1(132.05,58.875)
FMC_D5: U2.80 U5.10 | length 101.1
  Top Layer w0.127: U2.80@85.75,29.8 v1(85.75,32.35)
  Signal 1 w0.127: v1(85.75,32.35) 85.75,60.613 92.254,67.117 132.14,67.117 132.95,66.307 132.95,60.941 131.175,59.166 131.175,58.65 132.85,56.975 132.85,56.35 132.283,55.783 131.317,55.783 129.725,57.375 v1(127.525,57.375)
  Bottom Layer w0.127: v1(127.525,57.375) 127.562,57.412 129.887,57.412 U5.10@129.925,57.45
FMC_D6: U2.81 U5.11 | length 93.2
  Top Layer w0.127: U2.81@86.25,29.8 v1(86.25,33.35)
  Signal 1 w0.127: v1(86.25,33.35) 86.25,60.754 92.359,66.863 132.034,66.863 132.45,66.447 132.45,60.8 130.875,59.225 130.875,57.7 v1(132.05,56.525)
  Bottom Layer w0.127: U5.11@129.925,56.95 131.625,56.95 v1(132.05,56.525)
FMC_D7: U2.84 U5.13 | length 104.9
  Top Layer w0.127: U2.84@87.75,29.8 v1(87.75,31.35)
  Signal 1 w0.127: v1(87.75,31.35) 86.825,30.425 84.95,30.425 84.475,30.9 84.475,60.057 92.097,67.679 132.296,67.679 133.571,66.404 133.571,55.996 132.85,55.275 130.325,55.275 129.825,55.775 v1(128.475,55.775)
  Bottom Layer w0.127: v1(128.475,55.775) 128.603,55.775 128.778,55.95 U5.13@129.925,55.95
FMC_D8: U2.85 U5.74 | length 84.2
  Top Layer w0.127: U2.85@88.25,29.8 v1(88.25,32.35)
  Signal 1 w0.127: v1(88.25,32.35) 88.25,53.233 101.109,66.092 125.953,66.092 127,65.045 v1(127,63)
  Bottom Layer w0.127: U5.74@118.525,55.95 124.8,55.95 127,58.15 v1(127,63)
FMC_D9: U2.86 U5.76 | length 80.6
  Top Layer w0.127: U2.86@88.75,29.8 v1(88.75,33.35)
  Signal 1 w0.127: v1(88.75,33.35) 88.75,53.374 101.214,65.838 124.917,65.838 126,64.755 v1(126,63)
  Bottom Layer w0.127: U5.76@118.525,56.95 124.125,56.95 126,58.825 v1(126,63)
FMC_D10: U2.87 U5.77 | length 76.8
  Top Layer w0.127: U2.87@89.25,29.8 v1(89.25,32.35)
  Signal 1 w0.127: v1(89.25,32.35) 89.25,53.514 101.314,65.578 122.422,65.578 v1(125,63)
  Bottom Layer w0.127: U5.77@118.525,57.45 123.75,57.45 125,58.7 v1(125,63)
FMC_D11: U2.88 U5.79 | length 73
  Top Layer w0.127: U2.88@89.75,29.8 v1(89.75,31.35)
  Signal 1 w0.127: v1(89.75,31.35) 89.75,53.655 101.419,65.324 121.676,65.324 v1(124,63)
  Bottom Layer w0.127: U5.79@118.525,58.45 122.425,58.45 124,60.025 v1(124,63)
FMC_D12: U2.89 U5.80 | length 92.8
  Top Layer w0.127: U2.89@90.25,29.8 v1(90.25,32.35)
  Signal 1 w0.127: v1(90.25,32.35) 90.25,34.375 90.25,34.82 90.383,34.953 91.625,34.953 91.759,35.086 91.759,35.201 91.625,35.334 90.311,35.334 90.178,35.467 90.178,35.582 90.311,35.715 91.625,35.715 91.759,35.848 91.759,35.963 91.625,36.096 90.311,36.096 90.178,36.229 90.178,36.344 90.311,36.477 91.625,36.477 91.759,36.61 91.759,36.725 91.625,36.858 90.311,36.858 90.178,36.991 90.178,37.106 90.311,37.239 91.625,37.239 91.759,37.372 91.759,37.487 91.625,37.62 90.311,37.62 90.178,37.753 90.178,37.868 90.311,38.001 91.625,38.001 91.759,38.134 91.759,38.249 91.625,38.382 90.311,38.382 90.178,38.515 90.178,38.63 90.311,38.763 91.625,38.763 91.759,38.896 91.759,39.011 91.625,39.144 90.311,39.144 90.178,39.277 90.178,39.392 90.311,39.525 91.625,39.525 91.759,39.658 91.759,39.773 91.625,39.906 90.311,39.906 90.178,40.039 90.178,40.154 90.311,40.287 91.625,40.287 91.759,40.42 91.759,40.535 91.625,40.668 90.383,40.668 90.25,40.801 90.25,41.075 90.25,53.796 101.524,65.07 120.93,65.07 v1(123,63)
  Bottom Layer w0.127: U5.80@118.525,58.95 121.85,58.95 123,60.1 v1(123,63)
FMC_D13: U2.108 U5.82 | length 110.9
  Top Layer w0.127: v1(95.45,33.7) 95.475,33.725 100.175,33.725 U2.108@100.2,33.75
  Signal 1 w0.127: v1(95.45,33.7) 92.7,36.45 92.7,45.233 92.7,45.297 92.567,45.43 91.131,45.43 90.998,45.564 90.998,45.678 91.131,45.811 92.983,45.811 93.116,45.945 93.116,46.059 92.983,46.192 91.131,46.192 90.998,46.326 90.998,46.44 91.131,46.573 92.983,46.573 93.116,46.707 93.116,46.821 92.983,46.954 91.131,46.954 90.998,47.088 90.998,47.202 91.131,47.335 92.983,47.335 93.116,47.469 93.116,47.583 92.983,47.716 91.131,47.716 90.998,47.85 90.998,47.964 91.131,48.097 92.983,48.097 93.116,48.231 93.116,48.345 92.983,48.478 91.131,48.478 90.998,48.612 90.998,48.726 91.131,48.859 92.983,48.859 93.116,48.993 93.116,49.107 92.983,49.24 91.131,49.24 90.998,49.374 90.998,49.488 91.131,49.621 92.983,49.621 93.116,49.755 93.116,49.869 92.983,50.002 91.131,50.002 90.998,50.136 90.998,50.25 91.131,50.383 92.983,50.383 93.116,50.517 93.116,50.631 92.983,50.764 91.131,50.764 90.998,50.898 90.998,51.012 91.131,51.145 92.983,51.145 93.116,51.279 93.116,51.393 92.983,51.526 91.131,51.526 90.998,51.66 90.998,51.774 91.131,51.907 92.983,51.907 93.116,52.041 93.116,52.155 92.983,52.288 91.131,52.288 90.998,52.422 90.998,52.536 91.131,52.669 92.983,52.669 93.116,52.803 93.116,52.917 92.983,53.05 91.131,53.05 90.998,53.184 90.998,53.298 91.131,53.431 92.983,53.431 93.116,53.565 93.116,53.679 92.983,53.812 92.833,53.812 92.7,53.946 92.7,54.175 92.7,55.887 101.629,64.816 120.184,64.816 v1(122,63)
  Bottom Layer w0.127: U5.82@118.525,59.95 121.225,59.95 122,60.725 v1(122,63)
FMC_D14: U2.109 U5.83 | length 116.2
  Top Layer w0.127: v1(96.4,34.225) 96.413,34.238 100.187,34.238 U2.109@100.2,34.25
  Signal 1 w0.127: v1(96.4,34.225) 94.35,36.275 94.35,36.975 94.35,37.039 94.217,37.172 93.611,37.172 93.477,37.305 93.477,37.42 93.611,37.553 95.081,37.553 95.215,37.686 95.215,37.801 95.081,37.934 93.611,37.934 93.477,38.067 93.477,38.182 93.611,38.315 95.081,38.315 95.215,38.448 95.215,38.563 95.081,38.696 93.611,38.696 93.477,38.829 93.477,38.944 93.611,39.077 95.081,39.077 95.215,39.21 95.215,39.325 95.081,39.458 93.611,39.458 93.477,39.591 93.477,39.706 93.611,39.839 95.081,39.839 95.215,39.972 95.215,40.087 95.081,40.22 93.611,40.22 93.477,40.353 93.477,40.468 93.611,40.601 95.081,40.601 95.215,40.734 95.215,40.849 95.081,40.982 93.611,40.982 93.477,41.115 93.477,41.23 93.611,41.363 95.081,41.363 95.215,41.496 95.215,41.611 95.081,41.744 93.611,41.744 93.477,41.877 93.477,41.992 93.611,42.125 95.081,42.125 95.215,42.258 95.215,42.373 95.081,42.506 93.611,42.506 93.477,42.639 93.477,42.754 93.611,42.887 95.081,42.887 95.215,43.02 95.215,43.135 95.081,43.268 93.611,43.268 93.477,43.401 93.477,43.516 93.611,43.649 95.081,43.649 95.215,43.782 95.215,43.897 95.081,44.03 93.611,44.03 93.477,44.163 93.477,44.278 93.611,44.411 95.081,44.411 95.215,44.544 95.215,44.659 95.081,44.792 93.611,44.792 93.477,44.925 93.477,45.04 93.611,45.173 95.081,45.173 95.215,45.306 95.215,45.421 95.081,45.554 93.611,45.554 93.477,45.687 93.477,45.802 93.611,45.935 95.081,45.935 95.215,46.068 95.215,46.183 95.081,46.316 93.611,46.316 93.477,46.449 93.477,46.564 93.611,46.697 95.081,46.697 95.215,46.83 95.215,46.945 95.081,47.078 93.611,47.078 93.477,47.211 93.477,47.326 93.611,47.459 95.081,47.459 95.215,47.592 95.215,47.707 95.081,47.84 93.611,47.84 93.477,47.973 93.477,48.088 93.611,48.221 95.081,48.221 95.215,48.354 95.215,48.469 95.081,48.602 93.611,48.602 93.477,48.735 93.477,48.85 93.611,48.983 95.081,48.983 95.215,49.116 95.215,49.231 95.081,49.364 93.611,49.364 93.477,49.497 93.477,49.612 93.611,49.745 95.081,49.745 95.215,49.878 95.215,49.993 95.081,50.126 94.483,50.126 94.35,50.259 94.35,50.405 94.35,57.178 101.734,64.562 119.438,64.562 v1(121,63)
  Bottom Layer w0.127: U5.83@118.525,60.45 120.3,60.45 121,61.15 v1(121,63)
FMC_D15: U2.110 U5.85 | length 114.7
  Top Layer w0.127: v1(97.35,34.75) U2.110@100.2,34.75
  Signal 1 w0.127: v1(97.35,34.75) 97.35,35.35 97.35,35.414 97.217,35.547 96.479,35.547 96.346,35.68 96.346,35.795 96.479,35.928 97.323,35.928 97.456,36.061 97.456,36.176 97.323,36.309 96.479,36.309 96.346,36.442 96.346,36.557 96.479,36.69 97.323,36.69 97.456,36.823 97.456,36.938 97.323,37.071 96.479,37.071 96.346,37.204 96.346,37.319 96.479,37.452 97.323,37.452 97.456,37.585 97.456,37.7 97.323,37.833 96.479,37.833 96.346,37.966 96.346,38.081 96.479,38.214 97.323,38.214 97.456,38.347 97.456,38.462 97.323,38.595 96.479,38.595 96.346,38.728 96.346,38.843 96.479,38.976 97.323,38.976 97.456,39.109 97.456,39.224 97.323,39.357 96.479,39.357 96.346,39.49 96.346,39.605 96.479,39.738 97.323,39.738 97.456,39.871 97.456,39.986 97.323,40.119 96.479,40.119 96.346,40.252 96.346,40.367 96.479,40.5 97.323,40.5 97.456,40.633 97.456,40.748 97.323,40.881 96.479,40.881 96.346,41.014 96.346,41.129 96.479,41.262 97.323,41.262 97.456,41.395 97.456,41.51 97.323,41.643 96.479,41.643 96.346,41.776 96.346,41.891 96.479,42.024 97.323,42.024 97.456,42.157 97.456,42.272 97.323,42.405 96.479,42.405 96.346,42.538 96.346,42.653 96.479,42.786 97.323,42.786 97.456,42.919 97.456,43.034 97.323,43.167 96.479,43.167 96.346,43.3 96.346,43.415 96.479,43.548 97.323,43.548 97.456,43.681 97.456,43.796 97.323,43.929 96.479,43.929 96.346,44.062 96.346,44.177 96.479,44.31 97.323,44.31 97.456,44.443 97.456,44.558 97.323,44.691 96.479,44.691 96.346,44.824 96.346,44.939 96.479,45.072 97.323,45.072 97.456,45.205 97.456,45.32 97.323,45.453 96.479,45.453 96.346,45.586 96.346,45.701 96.479,45.834 97.323,45.834 97.456,45.967 97.456,46.082 97.323,46.215 96.479,46.215 96.346,46.348 96.346,46.463 96.479,46.596 97.323,46.596 97.456,46.729 97.456,46.844 97.323,46.977 96.479,46.977 96.346,47.11 96.346,47.225 96.479,47.358 97.323,47.358 97.456,47.491 97.456,47.606 97.323,47.739 96.479,47.739 96.346,47.872 96.346,47.987 96.479,48.12 97.323,48.12 97.456,48.253 97.456,48.368 97.323,48.501 96.479,48.501 96.346,48.634 96.346,48.749 96.479,48.882 97.323,48.882 97.456,49.015 97.456,49.13 97.323,49.263 96.479,49.263 96.346,49.396 96.346,49.511 96.479,49.644 97.323,49.644 97.456,49.777 97.456,49.892 97.323,50.025 96.479,50.025 96.346,50.158 96.346,50.273 96.479,50.406 97.323,50.406 97.456,50.539 97.456,50.654 97.323,50.787 96.479,50.787 96.346,50.92 96.346,51.035 96.479,51.168 97.323,51.168 97.456,51.301 97.456,51.416 97.323,51.549 96.479,51.549 96.346,51.682 96.346,51.797 96.479,51.93 97.323,51.93 97.456,52.063 97.456,52.178 97.323,52.311 96.479,52.311 96.346,52.444 96.346,52.559 96.479,52.692 97.323,52.692 97.456,52.825 97.456,52.94 97.323,53.073 96.479,53.073 96.346,53.206 96.346,53.321 96.479,53.454 97.323,53.454 97.456,53.587 97.456,53.702 97.323,53.835 96.479,53.835 96.346,53.968 96.346,54.083 96.479,54.216 97.323,54.216 97.456,54.349 97.456,54.464 97.323,54.597 96.479,54.597 96.346,54.73 96.346,54.845 96.479,54.978 97.323,54.978 97.456,55.111 97.456,55.226 97.323,55.359 96.479,55.359 96.346,55.492 96.346,55.607 96.479,55.74 97.323,55.74 97.456,55.873 97.456,55.988 97.323,56.121 96.479,56.121 96.346,56.254 96.346,56.369 96.479,56.502 97.323,56.502 97.456,56.635 97.456,56.75 97.323,56.883 96.479,56.883 96.346,57.016 96.346,57.131 96.479,57.264 97.323,57.264 97.456,57.397 97.456,57.512 97.323,57.645 96.479,57.645 96.346,57.778 96.346,57.893 96.479,58.026 97.323,58.026 97.456,58.159 97.456,58.274 97.323,58.407 96.479,58.407 96.346,58.54 96.346,58.655 96.479,58.788 97.217,58.788 97.35,58.921 97.35,59.25 97.35,59.818 101.84,64.308 118.692,64.308 v1(120,63)
  Bottom Layer w0.127: U5.85@118.525,61.45 119.525,61.45 120,61.925 v1(120,63)
FMC_NBL0: U2.200 U5.16 | length 83
  Top Layer w0.127: U2.200@76.25,60.2 v1(76.25,61.75)
  Signal 1 w0.127: v1(76.25,61.75) 77.225,62.725 86.425,62.725 91.9,68.2 132.509,68.2 136.55,64.159 136.55,55.425 134.775,53.65 v1(133.275,53.65)
  Bottom Layer w0.127: U5.16@129.925,54.45 133.125,54.45 133.3,54.275 133.3,53.675 v1(133.275,53.65)
FMC_NBL1: U2.201 U5.71 | length 99.8
  Top Layer w0.127: U2.201@75.75,60.2 v1(75.75,62.75)
  Signal 2 w0.127: v1(75.75,62.75) 75.7,62.7 75.7,59.375 76.675,58.4 101.25,58.4 101.668,58.4 101.801,58.267 101.801,58.037 101.934,57.904 102.049,57.904 102.182,58.037 102.182,60.807 102.315,60.94 102.43,60.94 102.563,60.807 102.563,58.037 102.696,57.904 102.811,57.904 102.944,58.037 102.944,60.807 103.077,60.94 103.192,60.94 103.325,60.807 103.325,58.037 103.458,57.904 103.573,57.904 103.706,58.037 103.706,60.807 103.839,60.94 103.954,60.94 104.087,60.807 104.087,58.037 104.22,57.904 104.335,57.904 104.468,58.037 104.468,60.807 104.601,60.94 104.716,60.94 104.849,60.807 104.849,58.037 104.982,57.904 105.097,57.904 105.23,58.037 105.23,60.807 105.363,60.94 105.478,60.94 105.611,60.807 105.611,58.037 105.744,57.904 105.859,57.904 105.992,58.037 105.992,60.807 106.125,60.94 106.24,60.94 106.373,60.807 106.373,58.037 106.506,57.904 106.621,57.904 106.754,58.037 106.754,60.807 106.887,60.94 107.002,60.94 107.135,60.807 107.135,58.037 107.268,57.904 107.383,57.904 107.516,58.037 107.516,60.807 107.649,60.94 107.764,60.94 107.897,60.807 107.897,58.037 108.03,57.904 108.145,57.904 108.278,58.037 108.278,58.267 108.411,58.4 108.475,58.4 v1(109.7,58.4)
  Bottom Layer w0.127: v1(109.7,58.4) 109.7,55.325 111.15,53.875 117.225,53.875 117.8,54.45 U5.71@118.525,54.45
FMC_SDN.CAS: U2.191 U5.18 | length 74.6
  Top Layer w0.127: v1(80.725,62.2) 80.738,62.187 80.738,60.213 U2.191@80.75,60.2
  Signal 1 w0.127: v1(80.725,62.2) 86.259,62.2 92.005,67.946 130.404,67.946 130.417,67.933 132.401,67.933 132.784,67.55 132.8,67.55 133.825,66.525 133.825,55.575 133.2,54.95 132.025,54.95 131.65,54.575 v1(131.65,53.375)
  Bottom Layer w0.127: U5.18@129.925,53.45 129.963,53.413 131.612,53.413 v1(131.65,53.375)
FMC_SDN.CKE: U2.38 U5.67 | length 80.2
  Top Layer w0.127: U2.38@69.8,39.25 v1(71.35,39.25)
  Signal 1 w0.127: v1(71.35,39.25) 71.925,38.675 71.925,30.15 72.875,29.2 81.616,29.2 83.42,27.396 97.346,27.396 100.125,30.175 100.125,45.875 100.7,46.45 113.875,46.45 116.325,48.9 v1(116.325,52.34)
  Bottom Layer w0.127: v1(116.325,52.34) 116.416,52.431 116.681,52.431 116.7,52.45 U5.67@118.525,52.45
FMC_SDN.CLK: U2.135 U5.68 | length 119.3
  Top Layer w0.127: U2.135@100.2,47.25 v1(101.75,47.25)
  Signal 1 w0.127: v1(101.75,47.25) 101.75,52.35 102.725,53.325 103.425,53.325 103.489,53.325 103.622,53.458 103.622,55.732 103.755,55.865 103.87,55.865 104.003,55.732 104.003,50.918 104.136,50.785 104.251,50.785 104.384,50.918 104.384,55.732 104.517,55.865 104.632,55.865 104.765,55.732 104.765,50.918 104.898,50.785 105.013,50.785 105.146,50.918 105.146,55.732 105.279,55.865 105.394,55.865 105.527,55.732 105.527,50.918 105.66,50.785 105.775,50.785 105.908,50.918 105.908,55.732 106.041,55.865 106.156,55.865 106.289,55.732 106.289,50.918 106.422,50.785 106.537,50.785 106.67,50.918 106.67,55.732 106.803,55.865 106.918,55.865 107.051,55.732 107.051,50.918 107.184,50.785 107.299,50.785 107.432,50.918 107.432,55.732 107.565,55.865 107.68,55.865 107.813,55.732 107.813,50.918 107.946,50.785 108.061,50.785 108.194,50.918 108.194,55.732 108.327,55.865 108.442,55.865 108.575,55.732 108.575,50.918 108.708,50.785 108.823,50.785 108.956,50.918 108.956,55.732 109.089,55.865 109.204,55.865 109.337,55.732 109.337,50.918 109.47,50.785 109.585,50.785 109.718,50.918 109.718,55.732 109.851,55.865 109.966,55.865 110.099,55.732 110.099,50.918 110.232,50.785 110.347,50.785 110.48,50.918 110.48,55.732 110.613,55.865 110.728,55.865 110.861,55.732 110.861,52.425 110.994,52.292 111.109,52.292 111.242,52.425 111.242,53.192 111.375,53.325 114.015,53.325 v1(116.325,53.325)
  Bottom Layer w0.127: v1(116.325,53.325) 116.7,52.95 U5.68@118.525,52.95
FMC_SDN.CS: U2.47 U5.20 | length 100.3
  Top Layer w0.127: U2.47@69.8,34.75 v1(71.35,34.75)
  Signal 1 w0.127: v1(71.35,34.75) 71.35,30.1 72.504,28.946 81.511,28.946 83.328,27.129 130.254,27.129 136.4,33.275 v1(136.4,51.85)
  Bottom Layer w0.127: U5.20@129.925,52.45 131.3,52.45 131.9,51.85 v1(136.4,51.85)
FMC_SDN.RAS: U2.70 U5.19 | length 88.5
  Top Layer w0.127: v1(80.736,28.202) 80.736,28.236 80.75,28.25 U2.70@80.75,29.8
  Signal 1 w0.127: v1(80.736,28.202) 80.799,28.202 82.379,26.621 130.464,26.621 137.325,33.482 137.325,52.575 136.95,52.95 135.077,52.95 134.852,52.725 v1(133,52.725)
  Bottom Layer w0.127: U5.19@129.925,52.95 131.013,52.95 131.238,52.725 v1(133,52.725)
FMC_SDN.WE: U2.49 U5.17 | length 104.7
  Top Layer w0.127: U2.49@69.8,33.75 U2.49@69.862,33.813 ; U2.49@69.8,33.75 v1(70.812,33.75)
  Signal 1 w0.127: v1@70.812,33.813 70.7,33.7 70.2,33.7 69.9,33.4 69.9,30.225 71.433,28.692 81.405,28.692 83.222,26.875 130.359,26.875 137.045,33.561 137.045,52.495 136.891,52.65 135.775,52.65 135.083,51.958 132.75,51.958 132.385,52.324 132.385,53.585 v1(132.425,53.625)
  Bottom Layer w0.127: U5.17@129.925,53.95 132.056,53.95 132.381,53.625 v1(132.425,53.625)
FOOTSWITCH: C79.2 R81.2 U2.105 | length 45.2
  Top Layer w0.127: U2.105@100.2,32.25 135.083,32.25 137.883,35.05 140.65,35.05 C79.2@142,35.05 R81.2@142,37.275